# Altium PCB top.PcbDoc (part 2 of 5) (continued)
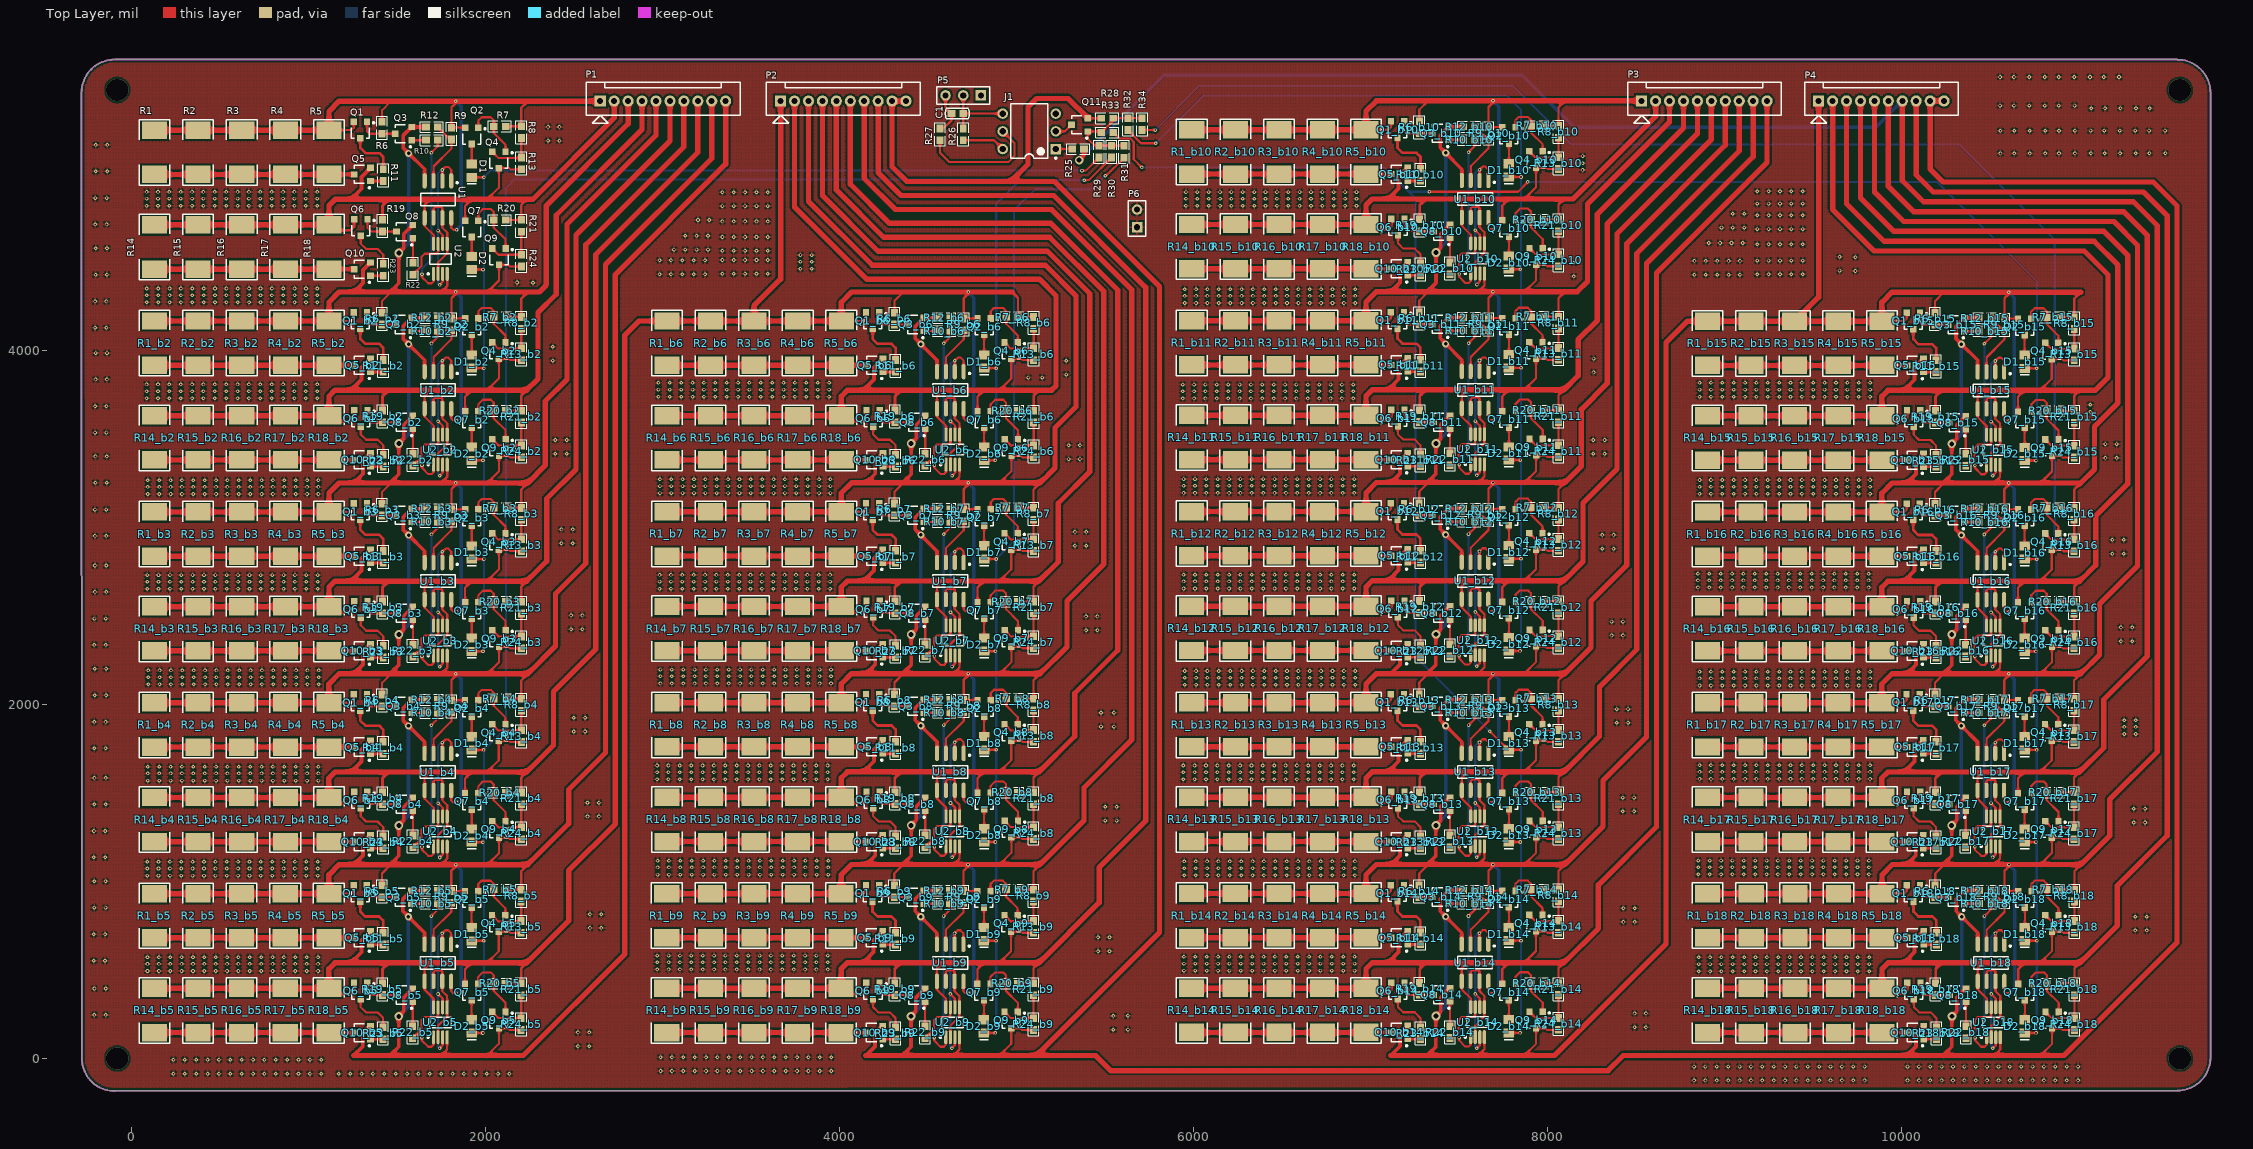
[diagram p0: Top Layer view]
## Nets (pads, with @x,y where several pads share a name; then routed paths per layer and width w, separated by ;. In a path a pad name is that pad's centre, name@x,y a point inside that pad or via, vN(x,y) a via of type N, cw(c..) or ccw(c..) an arc to the next point about the centre after c; other vN are vias at no path point) (continued)
  Bottom Layer w12: v1(1742.46,58.07) 1733.46,67.07 v1(1733.46,365.07) 1733.46,689.07 1751.46,707.07 v1(1757.46,707.07)
G1_VC1_BUF_b6: U1_b6.1 U1_b6.2 U2_b6.3 U2_b6.6 | length 1011.1
  Top Layer w12: v1(4629,3600.46) 4654.8,3574.67 U2_b6.6@4654.8,3525.11 ; v1(4638,3293.46) 4654.8,3310.26 U2_b6.3@4654.8,3355.82 U2_b6.3@4655.53,3356.55 ; U1_b6.2@4653,3880.95 v1(4653,3942.46) 4671,3960.46 4686,3960.46 4703,3943.46 U1_b6.1@4703,3880.95
  Bottom Layer w12: v1(4638,3293.46) 4629,3302.46 v1(4629,3600.46) 4629,3924.46 4647,3942.46 v1(4653,3942.46)
G1_VC1_BUF_b7: U1_b7.1 U1_b7.2 U2_b7.3 U2_b7.6 | length 1011.1
  Top Layer w12: v1(4628.87,2522.2) 4654.67,2496.4 U2_b7.6@4654.67,2446.84 ; v1(4637.87,2215.2) 4654.67,2231.99 U2_b7.3@4654.67,2277.55 U2_b7.3@4655.4,2278.28 ; U1_b7.2@4652.87,2802.68 v1(4652.87,2864.2) 4670.87,2882.2 4685.87,2882.2 4702.87,2865.2 U1_b7.1@4702.87,2802.68
  Bottom Layer w12: v1(4637.87,2215.2) 4628.87,2224.2 v1(4628.87,2522.2) 4628.87,2846.2 4646.87,2864.2 v1(4652.87,2864.2)
G1_VC1_BUF_b8: U1_b8.1 U1_b8.2 U2_b8.3 U2_b8.6 | length 1011.1
  Top Layer w12: v1(4628.87,1444.2) 4654.67,1418.4 U2_b8.6@4654.67,1368.84 ; v1(4637.87,1137.2) 4654.67,1153.99 U2_b8.3@4654.67,1199.55 U2_b8.3@4655.4,1200.28 ; U1_b8.2@4652.87,1724.68 v1(4652.87,1786.2) 4670.87,1804.2 4685.87,1804.2 4702.87,1787.2 U1_b8.1@4702.87,1724.68
  Bottom Layer w12: v1(4637.87,1137.2) 4628.87,1146.2 v1(4628.87,1444.2) 4628.87,1768.2 4646.87,1786.2 v1(4652.87,1786.2)
G1_VC1_BUF_b9: U1_b9.1 U1_b9.2 U2_b9.3 U2_b9.6 | length 1011.1
  Top Layer w12: v1(4627.87,365.2) 4653.67,339.4 U2_b9.6@4653.67,289.84 ; v1(4636.87,58.2) 4653.67,74.99 U2_b9.3@4653.67,120.55 U2_b9.3@4654.4,121.28 ; U1_b9.2@4651.87,645.68 v1(4651.87,707.2) 4669.87,725.2 4684.87,725.2 4701.87,708.2 U1_b9.1@4701.87,645.68
  Bottom Layer w12: v1(4636.87,58.2) 4627.87,67.2 v1(4627.87,365.2) 4627.87,689.2 4645.87,707.2 v1(4651.87,707.2)
G1_VC1_BUF_b10: U1_b10.1 U1_b10.2 U2_b10.3 U2_b10.6 | length 1011.1
  Top Layer w12: v1(7594,4680.46) 7619.8,4654.67 U2_b10.6@7619.8,4605.11 ; v1(7603,4373.46) 7619.8,4390.26 U2_b10.3@7619.8,4435.82 U2_b10.3@7620.53,4436.55 ; U1_b10.2@7618,4960.95 v1(7618,5022.46) 7636,5040.46 7651,5040.46 7668,5023.46 U1_b10.1@7668,4960.95
  Bottom Layer w12: v1(7603,4373.46) 7594,4382.46 v1(7594,4680.46) 7594,5004.46 7612,5022.46 v1(7618,5022.46)
G1_VC1_BUF_b11: U1_b11.1 U1_b11.2 U2_b11.3 U2_b11.6 | length 1011.1
  Top Layer w12: v1(7593.87,3602.2) 7619.67,3576.4 U2_b11.6@7619.67,3526.84 ; v1(7602.87,3295.2) 7619.67,3311.99 U2_b11.3@7619.67,3357.55 U2_b11.3@7620.4,3358.28 ; U1_b11.2@7617.87,3882.68 v1(7617.87,3944.2) 7635.87,3962.2 7650.87,3962.2 7667.87,3945.2 U1_b11.1@7667.87,3882.68
  Bottom Layer w12: v1(7602.87,3295.2) 7593.87,3304.2 v1(7593.87,3602.2) 7593.87,3926.2 7611.87,3944.2 v1(7617.87,3944.2)
G1_VC1_BUF_b12: U1_b12.1 U1_b12.2 U2_b12.3 U2_b12.6 | length 1011.1
  Top Layer w12: v1(7593.6,2523.6) 7619.39,2497.8 U2_b12.6@7619.39,2448.24 ; v1(7602.6,2216.6) 7619.39,2233.39 U2_b12.3@7619.39,2278.95 U2_b12.3@7620.13,2279.69 ; U1_b12.2@7617.6,2804.09 v1(7617.6,2865.6) 7635.6,2883.6 7650.6,2883.6 7667.6,2866.6 U1_b12.1@7667.6,2804.09
  Bottom Layer w12: v1(7602.6,2216.6) 7593.6,2225.6 v1(7593.6,2523.6) 7593.6,2847.6 7611.6,2865.6 v1(7617.6,2865.6)
G1_VC1_BUF_b13: U1_b13.1 U1_b13.2 U2_b13.3 U2_b13.6 | length 1011.1
  Top Layer w12: v1(7593.87,1444.2) 7619.67,1418.4 U2_b13.6@7619.67,1368.84 ; v1(7602.87,1137.2) 7619.67,1153.99 U2_b13.3@7619.67,1199.55 U2_b13.3@7620.4,1200.28 ; U1_b13.2@7617.87,1724.68 v1(7617.87,1786.2) 7635.87,1804.2 7650.87,1804.2 7667.87,1787.2 U1_b13.1@7667.87,1724.68
  Bottom Layer w12: v1(7602.87,1137.2) 7593.87,1146.2 v1(7593.87,1444.2) 7593.87,1768.2 7611.87,1786.2 v1(7617.87,1786.2)
G1_VC1_BUF_b14: U1_b14.1 U1_b14.2 U2_b14.3 U2_b14.6 | length 1011.1
  Top Layer w12: v1(7593.6,365.74) 7619.39,339.95 U2_b14.6@7619.39,290.39 ; v1(7602.6,58.74) 7619.39,75.54 U2_b14.3@7619.39,121.09 U2_b14.3@7620.13,121.83 ; U1_b14.2@7617.6,646.23 v1(7617.6,707.74) 7635.6,725.74 7650.6,725.74 7667.6,708.74 U1_b14.1@7667.6,646.23
  Bottom Layer w12: v1(7602.6,58.74) 7593.6,67.74 v1(7593.6,365.74) 7593.6,689.74 7611.6,707.74 v1(7617.6,707.74)
G1_VC1_BUF_b15: U1_b15.1 U1_b15.2 U2_b15.3 U2_b15.6 | length 1011.1
  Top Layer w12: v1(10508,3599.46) 10533.8,3573.67 U2_b15.6@10533.8,3524.11 ; v1(10517,3292.46) 10533.8,3309.26 U2_b15.3@10533.8,3354.82 U2_b15.3@10534.53,3355.55 ; U1_b15.2@10532,3879.95 v1(10532,3941.46) 10550,3959.46 10565,3959.46 10582,3942.46 U1_b15.1@10582,3879.95
  Bottom Layer w12: v1(10517,3292.46) 10508,3301.46 v1(10508,3599.46) 10508,3923.46 10526,3941.46 v1(10532,3941.46)
G1_VC1_BUF_b16: U1_b16.1 U1_b16.2 U2_b16.3 U2_b16.6 | length 1011.1
  Top Layer w12: v1(10507.87,2521.2) 10533.67,2495.4 U2_b16.6@10533.67,2445.84 ; v1(10516.87,2214.2) 10533.67,2230.99 U2_b16.3@10533.67,2276.55 U2_b16.3@10534.4,2277.28 ; U1_b16.2@10531.87,2801.68 v1(10531.87,2863.2) 10549.87,2881.2 10564.87,2881.2 10581.87,2864.2 U1_b16.1@10581.87,2801.68
  Bottom Layer w12: v1(10516.87,2214.2) 10507.87,2223.2 v1(10507.87,2521.2) 10507.87,2845.2 10525.87,2863.2 v1(10531.87,2863.2)
G1_VC1_BUF_b17: U1_b17.1 U1_b17.2 U2_b17.3 U2_b17.6 | length 1011.1
  Top Layer w12: v1(10507.67,1443.6) 10533.46,1417.8 U2_b17.6@10533.46,1368.24 ; v1(10516.67,1136.6) 10533.46,1153.39 U2_b17.3@10533.46,1198.95 U2_b17.3@10534.2,1199.69 ; U1_b17.2@10531.67,1724.09 v1(10531.67,1785.6) 10549.67,1803.6 10564.67,1803.6 10581.67,1786.6 U1_b17.1@10581.67,1724.09
  Bottom Layer w12: v1(10516.67,1136.6) 10507.67,1145.6 v1(10507.67,1443.6) 10507.67,1767.6 10525.67,1785.6 v1(10531.67,1785.6)
G1_VC1_BUF_b18: U1_b18.1 U1_b18.2 U2_b18.3 U2_b18.6 | length 1011.1
  Top Layer w12: v1(10508.87,365.2) 10534.67,339.4 U2_b18.6@10534.67,289.84 ; v1(10517.87,58.2) 10534.67,74.99 U2_b18.3@10534.67,120.55 U2_b18.3@10535.4,121.28 ; U1_b18.2@10532.87,645.68 v1(10532.87,707.2) 10550.87,725.2 10565.87,725.2 10582.87,708.2 U1_b18.1@10582.87,645.68
  Bottom Layer w12: v1(10517.87,58.2) 10508.87,67.2 v1(10508.87,365.2) 10508.87,689.2 10526.87,707.2 v1(10532.87,707.2)
G1_VC1_DISCH: R10.2 U2.1 | length 937.1
  Top Layer w12: v1(1643,4431.54) 1643,4415.54 1678,4380.54 1697,4380.54 1708.61,4392.15 U2.1@1708.61,4433.89 ; v1(1696,5118.54) 1732.33,5154.87 R10.2@1732.33,5188.94
  Bottom Layer w12: v1(1643,4431.54) 1643,4463.54 1696,4516.54 v1(1696,5118.54)
G1_VC1_DISCH_b2: R10_b2.2 U2_b2.1 | length 937.1
  Top Layer w12: v1(1643,3353.46) 1643,3337.46 1678,3302.46 1697,3302.46 1708.61,3314.08 U2_b2.1@1708.61,3355.82 ; v1(1696,4040.46) 1732.33,4076.8 R10_b2.2@1732.33,4110.87
  Bottom Layer w12: v1(1643,3353.46) 1643,3385.46 1696,3438.46 v1(1696,4040.46)
G1_VC1_DISCH_b3: R10_b3.2 U2_b3.1 | length 937.1
  Top Layer w12: v1(1643,2274.54) 1643,2258.54 1678,2223.54 1697,2223.54 1708.61,2235.15 U2_b3.1@1708.61,2276.89 ; v1(1696,2961.54) 1732.33,2997.87 R10_b3.2@1732.33,3031.94
  Bottom Layer w12: v1(1643,2274.54) 1643,2306.54 1696,2359.54 v1(1696,2961.54)
G1_VC1_DISCH_b4: R10_b4.2 U2_b4.1 | length 937.1
  Top Layer w12: v1(1642.87,1196.2) 1642.87,1180.2 1677.87,1145.2 1696.87,1145.2 1708.49,1156.81 U2_b4.1@1708.49,1198.55 ; v1(1695.87,1883.2) 1732.2,1919.53 R10_b4.2@1732.2,1953.6
  Bottom Layer w12: v1(1642.87,1196.2) 1642.87,1228.2 1695.87,1281.2 v1(1695.87,1883.2)
G1_VC1_DISCH_b5: R10_b5.2 U2_b5.1 | length 937.1
  Top Layer w12: v1(1642.46,118.07) 1642.46,102.07 1677.46,67.07 1696.46,67.07 1708.08,78.69 U2_b5.1@1708.08,120.43 ; v1(1695.46,805.07) 1731.8,841.4 R10_b5.2@1731.8,875.47
  Bottom Layer w12: v1(1642.46,118.07) 1642.46,150.07 1695.46,203.07 v1(1695.46,805.07)
G1_VC1_DISCH_b6: R10_b6.2 U2_b6.1 | length 937.1
  Top Layer w12: v1(4538,3353.46) 4538,3337.46 4573,3302.46 4592,3302.46 4603.61,3314.08 U2_b6.1@4603.61,3355.82 ; v1(4591,4040.46) 4627.33,4076.8 R10_b6.2@4627.33,4110.87
  Bottom Layer w12: v1(4538,3353.46) 4538,3385.46 4591,3438.46 v1(4591,4040.46)
G1_VC1_DISCH_b7: R10_b7.2 U2_b7.1 | length 937.1
  Top Layer w12: v1(4537.87,2275.2) 4537.87,2259.2 4572.87,2224.2 4591.87,2224.2 4603.49,2235.81 U2_b7.1@4603.49,2277.55 ; v1(4590.87,2962.2) 4627.2,2998.53 R10_b7.2@4627.2,3032.6
  Bottom Layer w12: v1(4537.87,2275.2) 4537.87,2307.2 4590.87,2360.2 v1(4590.87,2962.2)
G1_VC1_DISCH_b8: R10_b8.2 U2_b8.1 | length 937.1
  Top Layer w12: v1(4537.87,1197.2) 4537.87,1181.2 4572.87,1146.2 4591.87,1146.2 4603.49,1157.81 U2_b8.1@4603.49,1199.55 ; v1(4590.87,1884.2) 4627.2,1920.53 R10_b8.2@4627.2,1954.6
  Bottom Layer w12: v1(4537.87,1197.2) 4537.87,1229.2 4590.87,1282.2 v1(4590.87,1884.2)
G1_VC1_DISCH_b9: R10_b9.2 U2_b9.1 | length 937.1
  Top Layer w12: v1(4536.87,118.2) 4536.87,102.2 4571.87,67.2 4590.87,67.2 4602.49,78.81 U2_b9.1@4602.49,120.55 ; v1(4589.87,805.2) 4626.2,841.53 R10_b9.2@4626.2,875.6
  Bottom Layer w12: v1(4536.87,118.2) 4536.87,150.2 4589.87,203.2 v1(4589.87,805.2)
G1_VC1_DISCH_b10: R10_b10.2 U2_b10.1 | length 937.1
  Top Layer w12: v1(7503,4433.46) 7503,4417.46 7538,4382.46 7557,4382.46 7568.61,4394.08 U2_b10.1@7568.61,4435.82 ; v1(7556,5120.46) 7592.33,5156.8 R10_b10.2@7592.33,5190.87
  Bottom Layer w12: v1(7503,4433.46) 7503,4465.46 7556,4518.46 v1(7556,5120.46)
G1_VC1_DISCH_b11: R10_b11.2 U2_b11.1 | length 937.1
  Top Layer w12: v1(7502.87,3355.2) 7502.87,3339.2 7537.87,3304.2 7556.87,3304.2 7568.49,3315.81 U2_b11.1@7568.49,3357.55 ; v1(7555.87,4042.2) 7592.2,4078.53 R10_b11.2@7592.2,4112.6
  Bottom Layer w12: v1(7502.87,3355.2) 7502.87,3387.2 7555.87,3440.2 v1(7555.87,4042.2)
G1_VC1_DISCH_b12: R10_b12.2 U2_b12.1 | length 937.1
  Top Layer w12: v1(7502.6,2276.6) 7502.6,2260.6 7537.6,2225.6 7556.6,2225.6 7568.21,2237.21 U2_b12.1@7568.21,2278.95 ; v1(7555.6,2963.6) 7591.93,2999.93 R10_b12.2@7591.93,3034
  Bottom Layer w12: v1(7502.6,2276.6) 7502.6,2308.6 7555.6,2361.6 v1(7555.6,2963.6)
G1_VC1_DISCH_b13: R10_b13.2 U2_b13.1 | length 937.1
  Top Layer w12: v1(7502.87,1197.2) 7502.87,1181.2 7537.87,1146.2 7556.87,1146.2 7568.49,1157.81 U2_b13.1@7568.49,1199.55 ; v1(7555.87,1884.2) 7592.2,1920.53 R10_b13.2@7592.2,1954.6
  Bottom Layer w12: v1(7502.87,1197.2) 7502.87,1229.2 7555.87,1282.2 v1(7555.87,1884.2)
G1_VC1_DISCH_b14: R10_b14.2 U2_b14.1 | length 937.1
  Top Layer w12: v1(7502.6,118.74) 7502.6,102.74 7537.6,67.74 7556.6,67.74 7568.21,79.35 U2_b14.1@7568.21,121.09 ; v1(7555.6,805.74) 7591.93,842.07 R10_b14.2@7591.93,876.14
  Bottom Layer w12: v1(7502.6,118.74) 7502.6,150.74 7555.6,203.74 v1(7555.6,805.74)
G1_VC1_DISCH_b15: R10_b15.2 U2_b15.1 | length 937.1
  Top Layer w12: v1(10417,3352.46) 10417,3336.46 10452,3301.46 10471,3301.46 10482.61,3313.08 U2_b15.1@10482.61,3354.82 ; v1(10470,4039.46) 10506.33,4075.8 R10_b15.2@10506.33,4109.87
  Bottom Layer w12: v1(10417,3352.46) 10417,3384.46 10470,3437.46 v1(10470,4039.46)
G1_VC1_DISCH_b16: R10_b16.2 U2_b16.1 | length 937.1
  Top Layer w12: v1(10416.87,2274.2) 10416.87,2258.2 10451.87,2223.2 10470.87,2223.2 10482.49,2234.81 U2_b16.1@10482.49,2276.55 ; v1(10469.87,2961.2) 10506.2,2997.53 R10_b16.2@10506.2,3031.6
  Bottom Layer w12: v1(10416.87,2274.2) 10416.87,2306.2 10469.87,2359.2 v1(10469.87,2961.2)
G1_VC1_DISCH_b17: R10_b17.2 U2_b17.1 | length 937.1
  Top Layer w12: v1(10416.67,1196.6) 10416.67,1180.6 10451.67,1145.6 10470.67,1145.6 10482.28,1157.21 U2_b17.1@10482.28,1198.95 ; v1(10469.67,1883.6) 10506,1919.93 R10_b17.2@10506,1954
  Bottom Layer w12: v1(10416.67,1196.6) 10416.67,1228.6 10469.67,1281.6 v1(10469.67,1883.6)
G1_VC1_DISCH_b18: R10_b18.2 U2_b18.1 | length 937.1
  Top Layer w12: v1(10417.87,118.2) 10417.87,102.2 10452.87,67.2 10471.87,67.2 10483.49,78.81 U2_b18.1@10483.49,120.55 ; v1(10470.87,805.2) 10507.2,841.53 R10_b18.2@10507.2,875.6
  Bottom Layer w12: v1(10417.87,118.2) 10417.87,150.2 10470.87,203.2 v1(10470.87,805.2)
G1_VC1_VOL: R9.1 R12.2 U1.3 | length 381.5
  Top Layer w12: U1.3@1708,4959.02 1708,5040.54 1809,5141.54 R9.1@1809,5193.07 1802.2,5193.07 R12.2@1732.33,5262.94
G1_VC1_VOL_b2: R9_b2.1 R12_b2.2 U1_b2.3 | length 381.5
  Top Layer w12: U1_b2.3@1708,3880.95 1708,3962.46 1809,4063.46 R9_b2.1@1809,4115 1802.2,4115 R12_b2.2@1732.33,4184.87
G1_VC1_VOL_b3: R9_b3.1 R12_b3.2 U1_b3.3 | length 381.5
  Top Layer w12: U1_b3.3@1708,2802.02 1708,2883.54 1809,2984.54 R9_b3.1@1809,3036.07 1802.2,3036.07 R12_b3.2@1732.33,3105.94
G1_VC1_VOL_b4: R9_b4.1 R12_b4.2 U1_b4.3 | length 381.5
  Top Layer w12: U1_b4.3@1707.87,1723.68 1707.87,1805.2 1808.87,1906.2 R9_b4.1@1808.87,1957.73 1802.07,1957.73 R12_b4.2@1732.2,2027.6
G1_VC1_VOL_b5: R9_b5.1 R12_b5.2 U1_b5.3 | length 381.5
  Top Layer w12: U1_b5.3@1707.46,645.56 1707.46,727.07 1808.46,828.07 R9_b5.1@1808.46,879.61 1801.66,879.61 R12_b5.2@1731.8,949.47
G1_VC1_VOL_b6: R9_b6.1 R12_b6.2 U1_b6.3 | length 381.5
  Top Layer w12: U1_b6.3@4603,3880.95 4603,3962.46 4704,4063.46 R9_b6.1@4704,4115 4697.2,4115 R12_b6.2@4627.33,4184.87
G1_VC1_VOL_b7: R9_b7.1 R12_b7.2 U1_b7.3 | length 381.5
  Top Layer w12: U1_b7.3@4602.87,2802.68 4602.87,2884.2 4703.87,2985.2 R9_b7.1@4703.87,3036.73 4697.07,3036.73 R12_b7.2@4627.2,3106.6
G1_VC1_VOL_b8: R9_b8.1 R12_b8.2 U1_b8.3 | length 381.5
  Top Layer w12: U1_b8.3@4602.87,1724.68 4602.87,1806.2 4703.87,1907.2 R9_b8.1@4703.87,1958.73 4697.07,1958.73 R12_b8.2@4627.2,2028.6
G1_VC1_VOL_b9: R9_b9.1 R12_b9.2 U1_b9.3 | length 381.5
  Top Layer w12: U1_b9.3@4601.87,645.68 4601.87,727.2 4702.87,828.2 R9_b9.1@4702.87,879.73 4696.07,879.73 R12_b9.2@4626.2,949.6
G1_VC1_VOL_b10: R9_b10.1 R12_b10.2 U1_b10.3 | length 381.5
  Top Layer w12: U1_b10.3@7568,4960.95 7568,5042.46 7669,5143.46 R9_b10.1@7669,5195 7662.2,5195 R12_b10.2@7592.33,5264.87
G1_VC1_VOL_b11: R9_b11.1 R12_b11.2 U1_b11.3 | length 381.5
  Top Layer w12: U1_b11.3@7567.87,3882.68 7567.87,3964.2 7668.87,4065.2 R9_b11.1@7668.87,4116.73 7662.07,4116.73 R12_b11.2@7592.2,4186.6
G1_VC1_VOL_b12: R9_b12.1 R12_b12.2 U1_b12.3 | length 381.5
  Top Layer w12: U1_b12.3@7567.6,2804.09 7567.6,2885.6 7668.6,2986.6 R9_b12.1@7668.6,3038.13 7661.8,3038.13 R12_b12.2@7591.93,3108
G1_VC1_VOL_b13: R9_b13.1 R12_b13.2 U1_b13.3 | length 381.5
  Top Layer w12: U1_b13.3@7567.87,1724.68 7567.87,1806.2 7668.87,1907.2 R9_b13.1@7668.87,1958.73 7662.07,1958.73 R12_b13.2@7592.2,2028.6
G1_VC1_VOL_b14: R9_b14.1 R12_b14.2 U1_b14.3 | length 381.5
  Top Layer w12: U1_b14.3@7567.6,646.23 7567.6,727.74 7668.6,828.74 R9_b14.1@7668.6,880.28 7661.8,880.28 R12_b14.2@7591.93,950.14
G1_VC1_VOL_b15: R9_b15.1 R12_b15.2 U1_b15.3 | length 381.5
  Top Layer w12: U1_b15.3@10482,3879.95 10482,3961.46 10583,4062.46 R9_b15.1@10583,4114 10576.2,4114 R12_b15.2@10506.33,4183.87
G1_VC1_VOL_b16: R9_b16.1 R12_b16.2 U1_b16.3 | length 381.5
  Top Layer w12: U1_b16.3@10481.87,2801.68 10481.87,2883.2 10582.87,2984.2 R9_b16.1@10582.87,3035.73 10576.07,3035.73 R12_b16.2@10506.2,3105.6
G1_VC1_VOL_b17: R9_b17.1 R12_b17.2 U1_b17.3 | length 381.5
  Top Layer w12: U1_b17.3@10481.67,1724.09 10481.67,1805.6 10582.67,1906.6 R9_b17.1@10582.67,1958.13 10575.87,1958.13 R12_b17.2@10506,2028
G1_VC1_VOL_b18: R9_b18.1 R12_b18.2 U1_b18.3 | length 381.5
  Top Layer w12: U1_b18.3@10482.87,645.68 10482.87,727.2 10583.87,828.2 R9_b18.1@10583.87,879.73 10577.07,879.73 R12_b18.2@10507.2,949.6
G1_VC2_BUF: U1.6 U1.7 U2.2 U2.5 | length 512.1
  Top Layer w12: U1.6@1708,4750.05 1708,4802.54 1716,4810.54 1753,4810.54 1758,4805.54 U1.7@1758,4750.05 1758,4694.54 1785.39,4667.15 U2.5@1785.39,4603.18 1785.39,4549.92 1734.2,4498.74 U2.2@1734.2,4433.89
G1_VC2_BUF_b2: U1_b2.6 U1_b2.7 U2_b2.2 U2_b2.5 | length 512.1
  Top Layer w12: U1_b2.6@1708,3671.98 1708,3724.46 1716,3732.46 1753,3732.46 1758,3727.46 U1_b2.7@1758,3671.98 1758,3616.46 1785.39,3589.08 U2_b2.5@1785.39,3525.11 1785.39,3471.85 1734.2,3420.67 U2_b2.2@1734.2,3355.82
G1_VC2_BUF_b3: U1_b3.6 U1_b3.7 U2_b3.2 U2_b3.5 | length 512.1
  Top Layer w12: U1_b3.6@1708,2593.05 1708,2645.54 1716,2653.54 1753,2653.54 1758,2648.54 U1_b3.7@1758,2593.05 1758,2537.54 1785.39,2510.15 U2_b3.5@1785.39,2446.18 1785.39,2392.92 1734.2,2341.74 U2_b3.2@1734.2,2276.89
G1_VC2_BUF_b4: U1_b4.6 U1_b4.7 U2_b4.2 U2_b4.5 | length 512.1
  Top Layer w12: U1_b4.6@1707.87,1514.71 1707.87,1567.2 1715.87,1575.2 1752.87,1575.2 1757.87,1570.2 U1_b4.7@1757.87,1514.71 1757.87,1459.2 1785.26,1431.81 U2_b4.5@1785.26,1367.84 1785.26,1314.58 1734.08,1263.4 U2_b4.2@1734.08,1198.55
G1_VC2_BUF_b5: U1_b5.6 U1_b5.7 U2_b5.2 U2_b5.5 | length 512.1
  Top Layer w12: U1_b5.6@1707.46,436.58 1707.46,489.07 1715.46,497.07 1752.46,497.07 1757.46,492.07 U1_b5.7@1757.46,436.58 1757.46,381.07 1784.85,353.69 U2_b5.5@1784.85,289.72 1784.85,236.46 1733.67,185.28 U2_b5.2@1733.67,120.43
G1_VC2_BUF_b6: U1_b6.6 U1_b6.7 U2_b6.2 U2_b6.5 | length 512.1
  Top Layer w12: U1_b6.6@4603,3671.98 4603,3724.46 4611,3732.46 4648,3732.46 4653,3727.46 U1_b6.7@4653,3671.98 4653,3616.46 4680.39,3589.08 U2_b6.5@4680.39,3525.11 4680.39,3471.85 4629.2,3420.67 U2_b6.2@4629.2,3355.82
G1_VC2_BUF_b7: U1_b7.6 U1_b7.7 U2_b7.2 U2_b7.5 | length 512.1
  Top Layer w12: U1_b7.6@4602.87,2593.71 4602.87,2646.2 4610.87,2654.2 4647.87,2654.2 4652.87,2649.2 U1_b7.7@4652.87,2593.71 4652.87,2538.2 4680.26,2510.81 U2_b7.5@4680.26,2446.84 4680.26,2393.58 4629.08,2342.4 U2_b7.2@4629.08,2277.55
G1_VC2_BUF_b8: U1_b8.6 U1_b8.7 U2_b8.2 U2_b8.5 | length 512.1
  Top Layer w12: U1_b8.6@4602.87,1515.71 4602.87,1568.2 4610.87,1576.2 4647.87,1576.2 4652.87,1571.2 U1_b8.7@4652.87,1515.71 4652.87,1460.2 4680.26,1432.81 U2_b8.5@4680.26,1368.84 4680.26,1315.58 4629.08,1264.4 U2_b8.2@4629.08,1199.55
G1_VC2_BUF_b9: U1_b9.6 U1_b9.7 U2_b9.2 U2_b9.5 | length 512.1
  Top Layer w12: U1_b9.6@4601.87,436.71 4601.87,489.2 4609.87,497.2 4646.87,497.2 4651.87,492.2 U1_b9.7@4651.87,436.71 4651.87,381.2 4679.26,353.81 U2_b9.5@4679.26,289.84 4679.26,236.58 4628.08,185.4 U2_b9.2@4628.08,120.55
G1_VC2_BUF_b10: U1_b10.6 U1_b10.7 U2_b10.2 U2_b10.5 | length 512.1
  Top Layer w12: U1_b10.6@7568,4751.98 7568,4804.46 7576,4812.46 7613,4812.46 7618,4807.46 U1_b10.7@7618,4751.98 7618,4696.46 7645.39,4669.08 U2_b10.5@7645.39,4605.11 7645.39,4551.85 7594.2,4500.67 U2_b10.2@7594.2,4435.82
G1_VC2_BUF_b11: U1_b11.6 U1_b11.7 U2_b11.2 U2_b11.5 | length 512.1
  Top Layer w12: U1_b11.6@7567.87,3673.71 7567.87,3726.2 7575.87,3734.2 7612.87,3734.2 7617.87,3729.2 U1_b11.7@7617.87,3673.71 7617.87,3618.2 7645.26,3590.81 U2_b11.5@7645.26,3526.84 7645.26,3473.58 7594.08,3422.4 U2_b11.2@7594.08,3357.55
G1_VC2_BUF_b12: U1_b12.6 U1_b12.7 U2_b12.2 U2_b12.5 | length 512.1
  Top Layer w12: U1_b12.6@7567.6,2595.11 7567.6,2647.6 7575.6,2655.6 7612.6,2655.6 7617.6,2650.6 U1_b12.7@7617.6,2595.11 7617.6,2539.6 7644.98,2512.21 U2_b12.5@7644.98,2448.24 7644.98,2394.98 7593.8,2343.8 U2_b12.2@7593.8,2278.95
G1_VC2_BUF_b13: U1_b13.6 U1_b13.7 U2_b13.2 U2_b13.5 | length 512.1
  Top Layer w12: U1_b13.6@7567.87,1515.71 7567.87,1568.2 7575.87,1576.2 7612.87,1576.2 7617.87,1571.2 U1_b13.7@7617.87,1515.71 7617.87,1460.2 7645.26,1432.81 U2_b13.5@7645.26,1368.84 7645.26,1315.58 7594.08,1264.4 U2_b13.2@7594.08,1199.55
G1_VC2_BUF_b14: U1_b14.6 U1_b14.7 U2_b14.2 U2_b14.5 | length 512.1
  Top Layer w12: U1_b14.6@7567.6,437.25 7567.6,489.74 7575.6,497.74 7612.6,497.74 7617.6,492.74 U1_b14.7@7617.6,437.25 7617.6,381.74 7644.98,354.35 U2_b14.5@7644.98,290.39 7644.98,237.13 7593.8,185.94 U2_b14.2@7593.8,121.09
G1_VC2_BUF_b15: U1_b15.6 U1_b15.7 U2_b15.2 U2_b15.5 | length 512.1
  Top Layer w12: U1_b15.6@10482,3670.98 10482,3723.46 10490,3731.46 10527,3731.46 10532,3726.46 U1_b15.7@10532,3670.98 10532,3615.46 10559.39,3588.08 U2_b15.5@10559.39,3524.11 10559.39,3470.85 10508.2,3419.67 U2_b15.2@10508.2,3354.82
G1_VC2_BUF_b16: U1_b16.6 U1_b16.7 U2_b16.2 U2_b16.5 | length 512.1
  Top Layer w12: U1_b16.6@10481.87,2592.71 10481.87,2645.2 10489.87,2653.2 10526.87,2653.2 10531.87,2648.2 U1_b16.7@10531.87,2592.71 10531.87,2537.2 10559.26,2509.81 U2_b16.5@10559.26,2445.84 10559.26,2392.58 10508.08,2341.4 U2_b16.2@10508.08,2276.55
G1_VC2_BUF_b17: U1_b17.6 U1_b17.7 U2_b17.2 U2_b17.5 | length 512.1
  Top Layer w12: U1_b17.6@10481.67,1515.11 10481.67,1567.6 10489.67,1575.6 10526.67,1575.6 10531.67,1570.6 U1_b17.7@10531.67,1515.11 10531.67,1459.6 10559.05,1432.21 U2_b17.5@10559.05,1368.24 10559.05,1314.98 10507.87,1263.8 U2_b17.2@10507.87,1198.95
G1_VC2_BUF_b18: U1_b18.6 U1_b18.7 U2_b18.2 U2_b18.5 | length 512.1
  Top Layer w12: U1_b18.6@10482.87,436.71 10482.87,489.2 10490.87,497.2 10527.87,497.2 10532.87,492.2 U1_b18.7@10532.87,436.71 10532.87,381.2 10560.26,353.81 U2_b18.5@10560.26,289.84 10560.26,236.58 10509.08,185.4 U2_b18.2@10509.08,120.55
G1_VC2_DISCH: R22.2 U2.7 | length 271.5
  Top Layer w12: R22.2@1591,4429.07 1641,4479.07 1641,4530.54 1658,4547.54 1723,4547.54 1734.2,4558.74 U2.7@1734.2,4603.18
G1_VC2_DISCH_b2: R22_b2.2 U2_b2.7 | length 271.5
  Top Layer w12: R22_b2.2@1591,3351 1641,3401 1641,3452.46 1658,3469.46 1723,3469.46 1734.2,3480.67 U2_b2.7@1734.2,3525.11
G1_VC2_DISCH_b3: R22_b3.2 U2_b3.7 | length 271.5
  Top Layer w12: R22_b3.2@1591,2272.07 1641,2322.07 1641,2373.54 1658,2390.54 1723,2390.54 1734.2,2401.74 U2_b3.7@1734.2,2446.18
G1_VC2_DISCH_b4: R22_b4.2 U2_b4.7 | length 271.5
  Top Layer w12: R22_b4.2@1590.87,1193.73 1640.87,1243.73 1640.87,1295.2 1657.87,1312.2 1722.87,1312.2 1734.08,1323.4 U2_b4.7@1734.08,1367.84
G1_VC2_DISCH_b5: R22_b5.2 U2_b5.7 | length 271.5
  Top Layer w12: R22_b5.2@1590.46,115.61 1640.46,165.61 1640.46,217.07 1657.46,234.07 1722.46,234.07 1733.67,245.28 U2_b5.7@1733.67,289.72
G1_VC2_DISCH_b6: R22_b6.2 U2_b6.7 | length 271.5
  Top Layer w12: R22_b6.2@4486,3351 4536,3401 4536,3452.46 4553,3469.46 4618,3469.46 4629.2,3480.67 U2_b6.7@4629.2,3525.11
G1_VC2_DISCH_b7: R22_b7.2 U2_b7.7 | length 271.5
  Top Layer w12: R22_b7.2@4485.87,2272.73 4535.87,2322.73 4535.87,2374.2 4552.87,2391.2 4617.87,2391.2 4629.08,2402.4 U2_b7.7@4629.08,2446.84
G1_VC2_DISCH_b8: R22_b8.2 U2_b8.7 | length 271.5
  Top Layer w12: R22_b8.2@4485.87,1194.73 4535.87,1244.73 4535.87,1296.2 4552.87,1313.2 4617.87,1313.2 4629.08,1324.4 U2_b8.7@4629.08,1368.84
G1_VC2_DISCH_b9: R22_b9.2 U2_b9.7 | length 271.5
  Top Layer w12: R22_b9.2@4484.87,115.73 4534.87,165.73 4534.87,217.2 4551.87,234.2 4616.87,234.2 4628.08,245.4 U2_b9.7@4628.08,289.84
G1_VC2_DISCH_b10: R22_b10.2 U2_b10.7 | length 271.5
  Top Layer w12: R22_b10.2@7451,4431 7501,4481 7501,4532.46 7518,4549.46 7583,4549.46 7594.2,4560.67 U2_b10.7@7594.2,4605.11
G1_VC2_DISCH_b11: R22_b11.2 U2_b11.7 | length 271.5
  Top Layer w12: R22_b11.2@7450.87,3352.73 7500.87,3402.73 7500.87,3454.2 7517.87,3471.2 7582.87,3471.2 7594.08,3482.4 U2_b11.7@7594.08,3526.84
G1_VC2_DISCH_b12: R22_b12.2 U2_b12.7 | length 271.5
  Top Layer w12: R22_b12.2@7450.6,2274.13 7500.6,2324.13 7500.6,2375.6 7517.6,2392.6 7582.6,2392.6 7593.8,2403.8 U2_b12.7@7593.8,2448.24
G1_VC2_DISCH_b13: R22_b13.2 U2_b13.7 | length 271.5
  Top Layer w12: R22_b13.2@7450.87,1194.73 7500.87,1244.73 7500.87,1296.2 7517.87,1313.2 7582.87,1313.2 7594.08,1324.4 U2_b13.7@7594.08,1368.84
G1_VC2_DISCH_b14: R22_b14.2 U2_b14.7 | length 271.5
  Top Layer w12: R22_b14.2@7450.6,116.28 7500.6,166.28 7500.6,217.74 7517.6,234.74 7582.6,234.74 7593.8,245.94 U2_b14.7@7593.8,290.39
G1_VC2_DISCH_b15: R22_b15.2 U2_b15.7 | length 271.5
  Top Layer w12: R22_b15.2@10365,3350 10415,3400 10415,3451.46 10432,3468.46 10497,3468.46 10508.2,3479.67 U2_b15.7@10508.2,3524.11
G1_VC2_DISCH_b16: R22_b16.2 U2_b16.7 | length 271.5
  Top Layer w12: R22_b16.2@10364.87,2271.73 10414.87,2321.73 10414.87,2373.2 10431.87,2390.2 10496.87,2390.2 10508.08,2401.4 U2_b16.7@10508.08,2445.84
G1_VC2_DISCH_b17: R22_b17.2 U2_b17.7 | length 271.5
  Top Layer w12: R22_b17.2@10364.67,1194.13 10414.67,1244.13 10414.67,1295.6 10431.67,1312.6 10496.67,1312.6 10507.87,1323.8 U2_b17.7@10507.87,1368.24
G1_VC2_DISCH_b18: R22_b18.2 U2_b18.7 | length 271.5
  Top Layer w12: R22_b18.2@10365.87,115.73 10415.87,165.73 10415.87,217.2 10432.87,234.2 10497.87,234.2 10509.08,245.4 U2_b18.7@10509.08,289.84